# KiCad board FPGA-BOARDver3.kicad_pcb (continued)
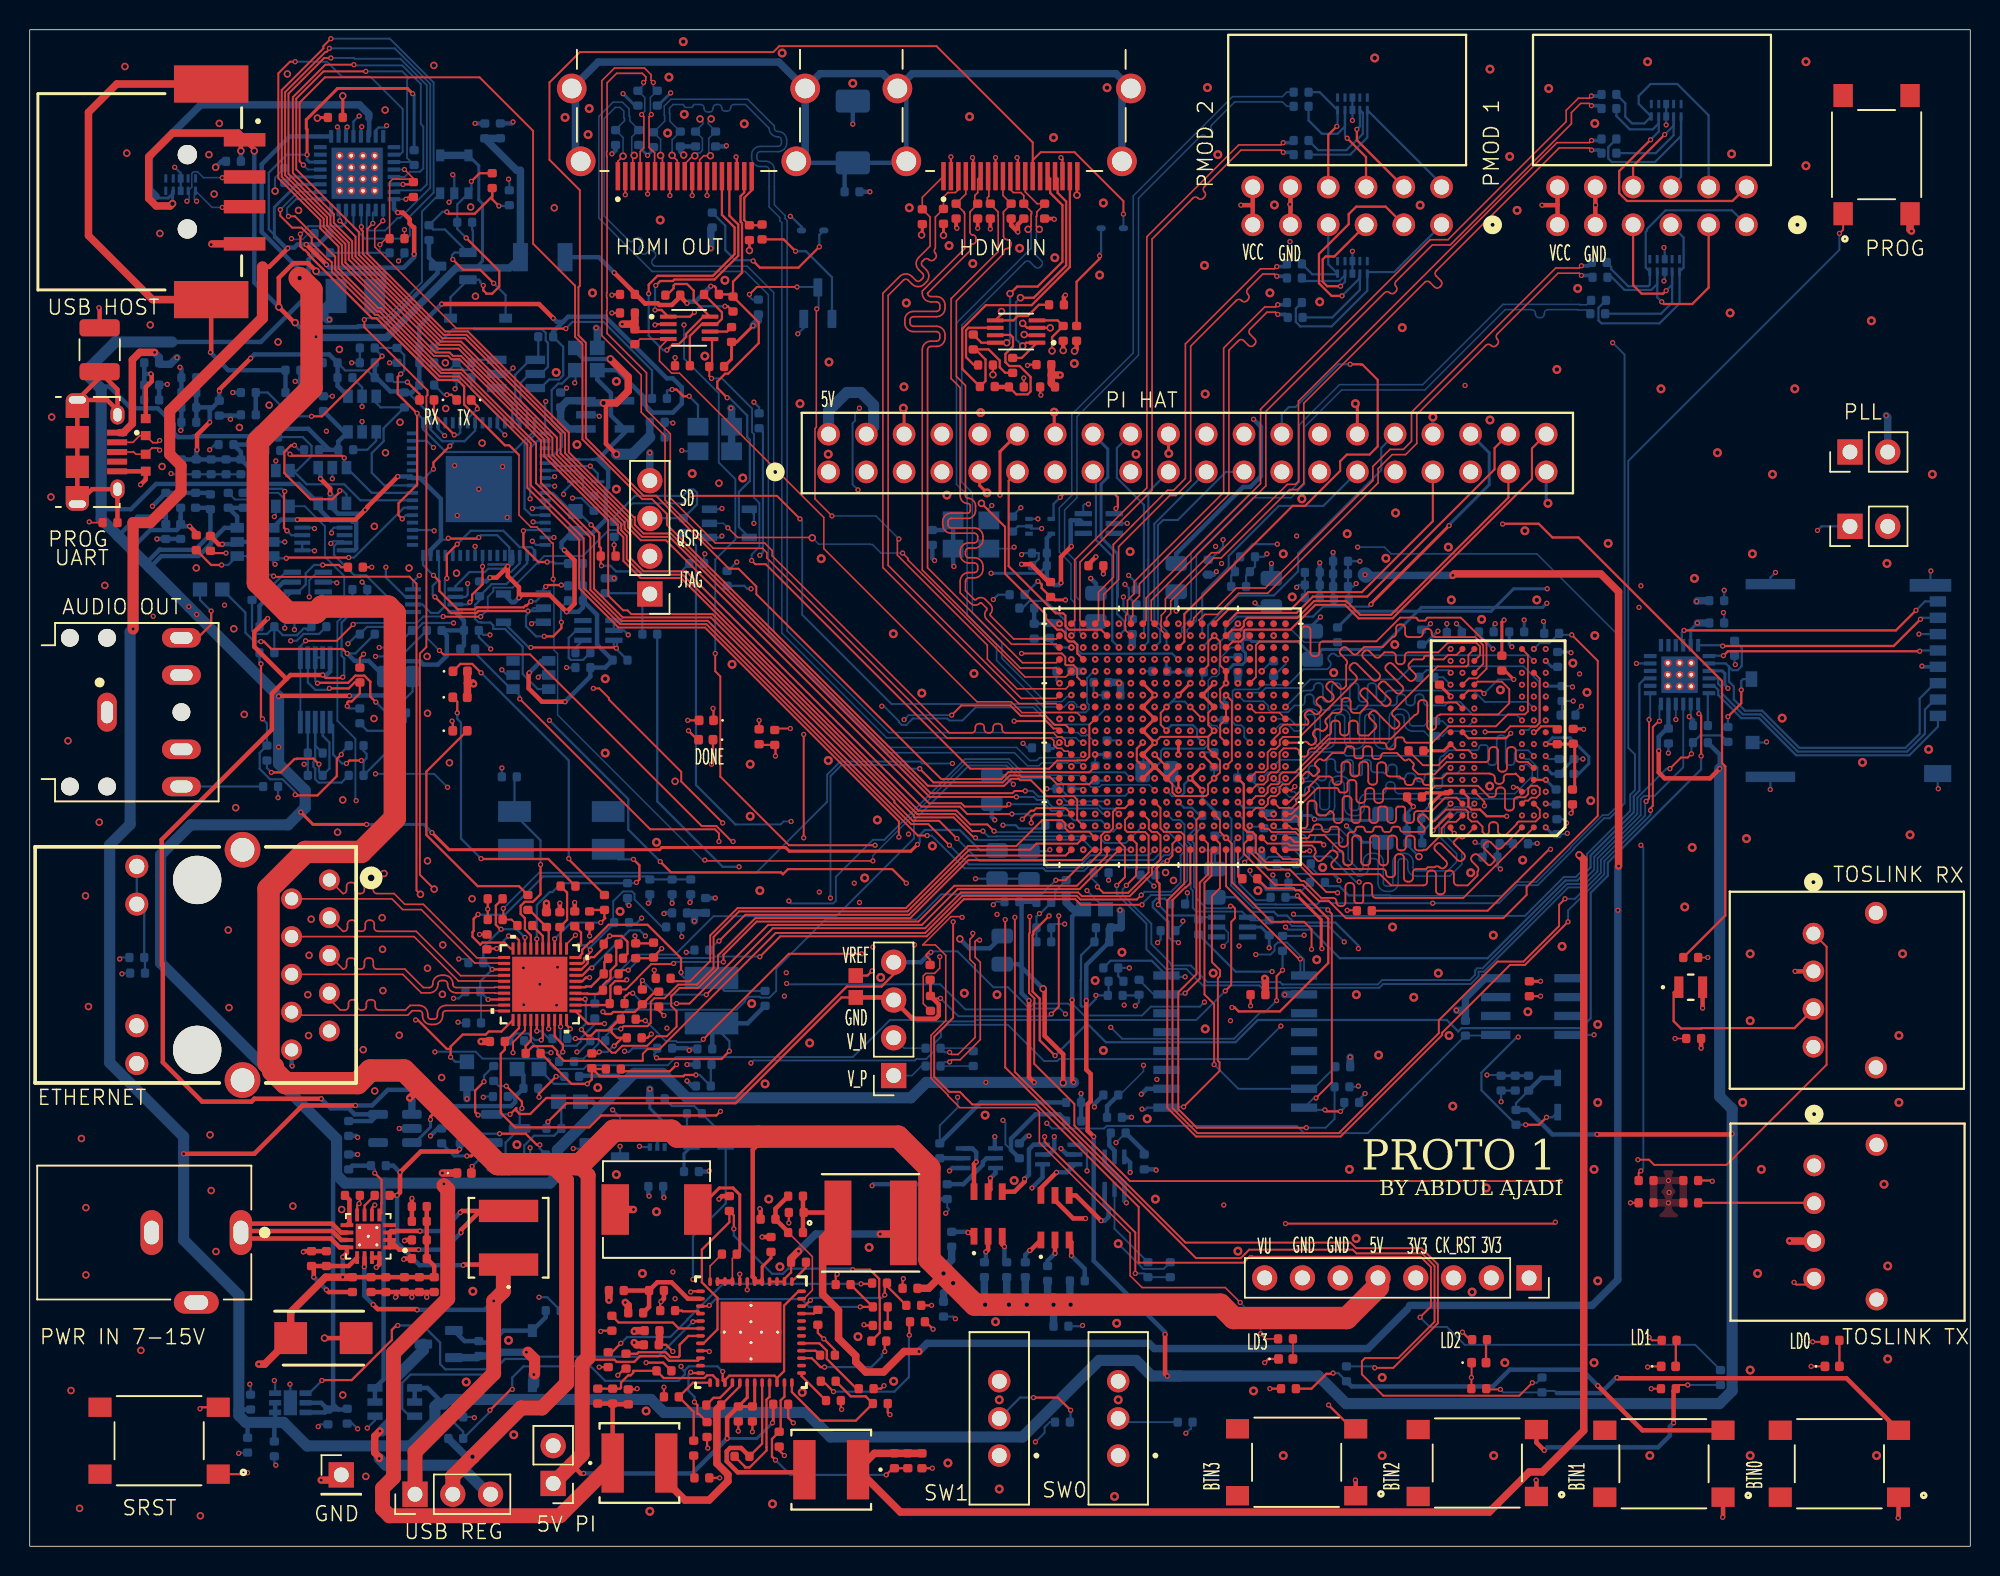
[diagram p0: board, top side]
## Routing (per net, layer and track width the routed paths; a pad name or vN(x,y) marks a point on that pad's centre or on a via; arc(x,y) is an arc through that point) (continued)
HDMI_TX_D0_P: length 74.9
  Top w0.104: v2(42.42,93.54) 42.55,93.42 J10.7
  Bottom w0.104: v2(42.42,93.54) 42.42,94.63 R147.1 42.7,95.85 42.7,96.22 42.67,96.25 42.67,96.87 43.13,97.33 48.27,97.33 50.08,95.52 50.08,95.38 arc(50.14,95.22) 50.3,95.15 50.33,95.15 arc(50.74,94.98) 50.9,94.58 50.9,94.38 arc(50.74,93.97) 50.33,93.8 49.12,93.8 arc(48.97,93.73) 48.9,93.58 48.9,93.38 arc(48.97,93.22) 49.12,93.15 49.5,93.15 arc(49.91,92.98) 50.08,92.58 50.08,92.38 50.08,91.45 50.08,90.22 50.8,89.5 50.8,89.3 50.93,89.17 50.93,61.57 57.77,54.73 68.89,54.73 68.94,54.77 69.52,54.77 69.56,54.73 70.51,54.73 70.51,54.72 70.71,54.51 71,54.51 71.09,54.6 v1(71.65,54.05)
HDMI_TX_D1_N: length 76.1
  Top w0.104: v1(41.93,98.45) 41.78,98.6 41.78,98.98 41.34,99.42 39.32,99.42 38.47,98.57 38.47,81.43 41.12,78.78 41.12,76.28 42.72,74.68 42.72,70.36 45.96,67.12 49.28,67.12 49.57,66.83 49.57,66.47 61.69,54.36 68.69,54.36 68.87,54.18 68.87,53.89 69.09,53.67 69.38,53.67 69.58,53.47 69.83,53.47 U1.J19 ; v1(41.8,96.3) 41.65,96.15 41.65,94.08 41.88,93.85 41.9,93.85 42.02,93.73 42.02,92.18 J10.6
  Bottom w0.104: v1(41.93,98.45) 41.93,98.17 R148.1 41.74,97.44 41.74,96.36 v1(41.8,96.3)
HDMI_TX_D1_P: length 76.1
  Top w0.104: J10.4 41.05,92.15 41.05,93.8 41.3,94.05 41.3,96.15 v1(41.15,96.3) ; v1(41.28,98.45) 41.43,98.6 41.43,98.83 41.19,99.07 39.47,99.07 38.83,98.43 38.83,93.83 38.8,93.8 38.8,93.5 38.83,93.47 38.83,84.33 38.8,84.3 38.8,84 38.83,83.97 38.83,83.13 38.8,83.1 38.8,82.8 38.83,82.77 38.83,81.57 41.48,78.92 41.48,76.42 43.08,74.82 43.08,70.51 46.11,67.48 49.42,67.48 49.93,66.97 49.93,66.62 61.83,54.71 63.35,54.71 arc(63.52,54.78) 63.59,54.95 63.59,55.09 arc(63.66,55.26) 63.83,55.33 63.95,55.33 arc(64.12,55.26) 64.19,55.09 64.19,54.95 arc(64.26,54.78) 64.43,54.71 64.55,54.71 arc(64.72,54.78) 64.79,54.95 64.79,55.09 arc(64.86,55.26) 65.03,55.33 65.15,55.33 arc(65.32,55.26) 65.39,55.09 65.39,54.95 arc(65.46,54.78) 65.63,54.71 68.84,54.71 69.12,54.43 69.41,54.43 69.63,54.21 69.63,53.92 69.72,53.83 69.83,53.83 U1.K19
  Bottom w0.104: v1(41.28,98.45) 41.28,98.28 R149.1 41.36,97.44 41.36,96.51 v1(41.15,96.3)
HDMI_TX_D2_N: length 76
  Top w0.104: v2(40.65,93.55) 40.55,93.45 J10.3
  Bottom w0.104: 40.95,95.28 40.35,95.88 40.35,96.16 40.31,96.21 40.31,96.68 39.86,97.13 39.23,97.13 38.27,96.17 38.27,89.33 41.86,85.74 48.11,85.74 49.67,84.18 49.67,61.37 57.67,53.37 66.22,53.37 67.1,52.49 67.86,52.49 68.06,52.68 69.79,52.68 69.9,52.8 70.2,52.8 70.31,52.68 70.62,52.68 70.84,52.46 ; v2(40.65,93.55) 40.49,93.71 40.49,94.79 R150.1
  Bottom w0.249: 40.95,95.28 R150.1
  vias: v1(70.85,52.47)
HDMI_TX_D2_P: length 76
  Top w0.104: v2(39.9,93.5) 39.55,93.15 J10.1
  Bottom w0.104: v2(39.9,93.5) 39.9,94.75 R151.1 ; 39.4,95.28 40,95.88 40,96.03 39.95,96.07 39.95,96.53 39.71,96.77 39.37,96.77 38.63,96.03 38.63,89.47 40.28,87.82 arc(40.45,87.75) 40.62,87.82 40.76,87.95 arc(40.92,88.02) 41.09,87.95 41.18,87.87 arc(41.25,87.7) 41.18,87.53 41.04,87.4 arc(40.97,87.23) 41.04,87.06 41.13,86.97 arc(41.3,86.9) 41.47,86.97 41.6,87.11 arc(41.77,87.18) 41.94,87.11 42.03,87.02 arc(42.1,86.85) 42.03,86.68 41.89,86.55 arc(41.82,86.38) 41.89,86.21 42,86.1 48.25,86.1 50.03,84.32 50.03,61.51 57.81,53.73 66.37,53.73 67.25,52.85 67.72,52.85 67.91,53.04 70.62,53.04 v1(70.83,53.25)
  Bottom w0.249: 39.4,95.28 R151.1
HDMI_TX_HPDN: length 44
  Top w0.1: v1(53.95,69.3) 52.81,70.44 52.81,75.18 52.9,75.27 52.9,83.2 v1(52.92,83.22) ; v1(58.45,67.75) 58.35,67.65 58.35,66.66 64.4,60.61 64.4,59.66 66.39,57.67 69.67,57.67 U1.R19
  Top w0.127: v1(51.6,84.7) 48.9,84.7 v1(48.4,84.2)
  Bottom w0.1: v1(58.45,67.75) 56.9,69.3 v1(53.95,69.3)
  Bottom w0.127: v1(51.6,84.7) 52.97,84.7 Q9.3 53.05,84.62 53.05,83.35 v1(52.92,83.22) ; R155.1 48.6,83.85 48.4,84.05 v1(48.4,84.2)
HDMI_TX_SCL: length 48.6
  Top w0.127: v1(45.85,78.55) 45.7,78.7 45.7,79.34 R127.1 ; U1.M17 71.26,55.26 71.26,53.1 71.01,52.86 70.46,52.86 70.44,52.84 69.09,52.84 68.55,52.3 63.25,52.3 49.5,66.05 48.8,66.05 v1(48.55,66.3)
  Top w0.15: R127.1 45.89,79.54 45.89,81.06 U8.5
  Bottom w0.127: v1(45.85,78.55) 46.55,78.55 48.58,76.52 48.58,74.93 48.7,74.81 48.7,70.54 49.07,70.17 49.07,67.22 48.55,66.7 v1(48.55,66.3)
HDMI_TX_SCL_LS: length 26
  Top w0.15: 42.75,84.05 43.3,84.6 43.3,84.8 43.4,84.9 44.2,84.9 44.65,84.45 44.65,83.8 U8.8 45.3,82.7 44.14,81.54 44.14,81.34 43.65,80.85 43.25,80.85 v1(42.85,80.45) ; v1(41.62,84.25) 41.62,84.86 42.22,85.45 45.95,85.45 47.4,86.9 47.4,88.7 46.55,89.55 J10.15
  Bottom w0.15: v1(41.62,84.25) 41.62,81.42 42.6,80.45 v1(42.85,80.45)
HDMI_TX_SDA: length 43.8
  Top w0.1: R128.1 41.05,81.2 U8.4 42.35,80.61 42.35,79.72 43.17,78.9 43.69,78.9 53.4,69.19 53.4,67.1 63.7,56.8 66,56.8 66.73,56.07 70.31,56.07 70.32,56.07 70.43,56.07 U1.M18
HDMI_TX_SDA_LS: length 19.5
  Top w0.15: v1(42.1,84.8) 42.4,85.1 43.25,85.1 43.35,85.2 46.05,85.2 47.65,86.8 47.65,88.89 47.05,89.49 J10.16 ; v1(44.7,83) 44.4,82.7 U8.1 42.49,83.15 v1(42.05,83.15) ; R126.1 46.95,83.4 v1(46.75,83.4)
  Bottom w0.15: v1(42.1,84.8) 42.05,84.75 v1(42.05,83.15) ; v1(46.75,83.4) 45.1,83.4 v1(44.7,83)
JA1_N: length 27.8
  Top w0.104: U1.Y14 74.05,62.46 74.18,62.58 74.18,63.48 74.63,63.93 74.63,64.73 80.64,70.74 80.64,80.44 81.3,81.09 arc(81.47,81.17) 81.63,81.09 81.96,80.77 arc(82.13,80.7) 82.3,80.77 82.39,80.85 arc(82.46,81.02) 82.39,81.19 82.06,81.52 arc(81.99,81.69) 82.06,81.86 83.2,83 83.78,83 v1(83.93,82.85)
  Bottom w0.249: v1(83.93,82.85) 84.4,82.85 R68.1
JA1_P: length 27.8
  Top w0.104: v1(83.93,83.5) 83.78,83.36 83.06,83.36 80.29,80.59 80.29,70.89 74.27,64.87 74.27,64.07 73.82,63.62 73.82,62.73 73.7,62.6 73.7,62.23 73.67,62.21 73.67,61.89 73.7,61.87 73.7,61.6 U1.W14
  Bottom w0.249: v1(83.93,83.5) 84.4,83.5 R67.1
JA2_N: length 30.6
  Top w0.104: v1(83.86,86.07) 83.72,85.92 82.77,85.92 77.72,80.87 77.72,71.82 76.93,71.03 76.52,71.03 74.15,68.66 74.15,68.65 72.88,67.38 72.87,67.38 72.87,65.17 71.87,64.17 71.87,62.27 U1.Y17
  Bottom w0.249: v1(83.86,86.07) 84.37,86.07 R70.1
JA2_P: length 30.6
  Top w0.104: v1(83.86,85.42) 83.72,85.57 82.92,85.57 81.91,84.56 arc(81.84,84.39) 81.91,84.22 81.93,84.19 arc(82,84.02) 81.93,83.85 81.85,83.77 arc(81.68,83.7) 81.51,83.77 81.49,83.79 arc(81.32,83.87) 81.15,83.79 78.07,80.72 78.07,71.67 77.07,70.67 76.67,70.67 73.23,67.23 73.23,65.03 72.23,64.03 72.23,62.27 U1.Y16
  Bottom w0.249: v1(83.86,85.42) 84.43,85.42 R69.1
JA3_N: length 40.7
  Top w0.104: v1(84.3,94.4) 84.15,94.26 81.3,94.26 75.12,88.07 75.12,71.19 70.27,66.34 70.27,62.27 U1.Y19
  Bottom w0.249: v1(84.3,94.4) 84.85,94.4 R76.1
JA3_P: length 40.7
  Top w0.104: U1.Y18 70.63,62.27 70.63,66.19 75.48,71.04 75.48,87.93 78.23,90.68 arc(78.4,90.75) 78.57,90.68 78.58,90.66 arc(78.75,90.59) 78.92,90.66 79,90.75 arc(79.07,90.92) 79,91.09 78.99,91.1 arc(78.92,91.27) 78.99,91.44 81.45,93.9 84.15,93.9 v1(84.3,93.75)
  Bottom w0.249: R75.1 84.85,93.75 v1(84.3,93.75)
JA4_N: length 45.8
  Bottom w0.104: v1(70.07,61.26) 70.27,61.46 70.27,63.46 70.02,63.7 70.02,66.08 69.24,66.86 69.24,69.84 70.07,70.67 70.07,76.12 74.21,80.26 74.21,90.82 80.89,97.5 84.24,97.5 84.53,97.8 R78.1
JA4_P: length 45.8
  Bottom w0.104: v1(70.85,61.24) 70.62,61.46 70.62,63.61 70.38,63.85 70.38,66.22 69.59,67.01 69.59,69.69 70.43,70.53 70.43,75.98 74.57,80.11 74.57,90.67 78.65,94.76 78.73,94.84 arc(78.9,94.91) 79.07,94.84 79.08,94.84 arc(79.25,94.77) 79.41,94.84 79.5,94.93 arc(79.57,95.1) 79.5,95.27 79.5,95.27 arc(79.43,95.44) 79.5,95.61 81.04,97.15 84.24,97.15 84.53,96.85 R77.1
JB1_N: length 38.9
  Top w0.104: U1.Y8 78.63,62.27 78.63,62.28 79.02,62.67 79.87,62.67 81.3,64.1 83.25,64.1 90.68,71.53 90.68,72.48 91.62,73.42 92.52,73.42 93.28,74.18 93.28,76.13 97.84,80.69 97.92,80.77 arc(98.09,80.84) 98.26,80.77 98.28,80.76 arc(98.45,80.69) 98.62,80.76 98.7,80.84 arc(98.77,81.01) 98.7,81.18 98.69,81.2 arc(98.62,81.37) 98.69,81.54 102.77,85.62 104.2,85.62 v1(104.35,85.47)
  Bottom w0.249: v1(104.35,85.47) 104.98,85.47 R72.1
JB1_P: length 38.9
  Top w0.104: v1(104.35,86.12) 104.2,85.98 102.63,85.98 92.92,76.27 92.92,74.32 92.38,73.78 91.48,73.78 90.32,72.62 90.32,71.67 83.1,64.45 81.15,64.45 79.73,63.03 78.87,63.03 78.27,62.43 78.27,62.27 U1.Y9
  Bottom w0.249: v1(104.35,86.12) 104.83,86.12 R71.1
JB2_N: length 42.1
  Bottom w0.104: R74.1 104.7,83.15 104.13,83.15 104.1,83.17 102.1,83.17 arc(101.93,83.1) 101.86,82.93 101.86,82.88 arc(101.79,82.71) 101.62,82.64 101.5,82.64 arc(101.33,82.71) 101.26,82.88 101.26,82.93 arc(101.19,83.1) 101.02,83.17 99.22,83.17 93.82,77.77 88.22,77.77 85.73,75.28 85.73,71.43 84.82,70.52 82.27,70.52 78.46,66.71 78.46,62.25 77.84,61.64 77.84,61.48 v1(78.06,61.26)
JB2_P: length 42.1
  Bottom w0.104: R73.1 104.7,83.5 104.26,83.5 104.24,83.53 99.08,83.53 93.68,78.13 88.08,78.13 85.37,75.42 85.37,71.57 84.68,70.88 82.12,70.88 78.1,66.86 78.1,62.4 77.48,61.78 77.48,61.48 v1(77.25,61.26)
JB3_N: length 49.8
  Top w0.104: U1.Y13 75.07,62.27 75.07,63.77 82.77,71.47 82.77,76.47 94.18,87.88 95.38,87.88 103.32,95.82 103.32,96.57 104.15,97.4 104.88,97.4 v1(105.02,97.54)
  Bottom w0.249: v1(105.02,97.54) 105.59,97.54 R80.1
JB3_P: length 49.8
  Top w0.104: v1(105.02,96.89) 104.88,97.04 104.29,97.04 103.68,96.43 103.68,95.68 95.52,87.52 94.32,87.52 91.88,85.08 arc(91.81,84.91) 91.88,84.74 arc(91.95,84.57) 91.88,84.4 91.79,84.32 arc(91.62,84.25) 91.45,84.32 arc(91.28,84.38) 91.12,84.32 83.13,76.33 83.13,71.33 75.43,63.63 75.43,62.27 U1.Y12
  Bottom w0.249: R79.1 105.51,96.89 v1(105.02,96.89)
JB4_N: length 48
  Top w0.104: v1(105.03,93.9) 104.88,94.05 102.85,94.05 94.66,85.86 94.58,85.78 arc(94.51,85.61) 94.58,85.44 94.9,85.11 arc(94.97,84.94) 94.9,84.77 94.82,84.69 arc(94.65,84.62) 94.48,84.69 94.15,85.01 arc(93.98,85.08) 93.81,85.01 85.68,76.88 85.68,71.49 85.26,71.07 84.72,71.07 80.12,66.47 79.62,66.47 76.73,63.58 76.73,62.74 76.45,62.47 U1.Y11
  Bottom w0.249: v1(105.03,93.9) 105.5,93.9 R82.1
JB4_P: length 48.1
  Top w0.104: U1.W11 76.1,61.6 76.1,61.87 76.07,61.89 76.07,62.21 76.1,62.23 76.1,62.61 76.37,62.89 76.37,63.72 79.48,66.83 79.98,66.83 84.57,71.42 85.11,71.42 85.32,71.64 85.32,77.02 102.71,94.41 104.88,94.41 v1(105.03,94.55)
  Bottom w0.249: R81.1 105.6,94.55 v1(105.03,94.55)
LED0: length 119.1
  Top w0.127: v1(119.9,13.75) 120.6,13.75 R14.1
  SIGNAL2.Cu w0.127: v1(119.9,13.75) 119.75,13.6 90.88,13.6 86.9,17.58 86.9,20 83.09,23.81 68.54,23.81 66.14,26.21 58.59,26.21 51.76,33.04 51.76,34.14 52.15,34.53 52.15,46.95 62.82,57.62 68.67,57.62 68.7,57.65 73.65,57.65 v1(74.05,58.04)
LED1: length 107.4
  Top w0.127: R13.1 109.1,13.85 v1(108.9,14.05)
  SIGNAL2.Cu w0.127: v1(74.07,57.23) 73.73,56.89 62.47,56.89 52.4,46.81 52.4,34.46 51.99,34.04 51.99,33.41 58.9,26.5 66.55,26.5 69,24.05 83.6,24.05 89.14,18.51 89.14,15.66 90.97,13.83 96.29,13.83 96.61,14.15 108.8,14.15 v1(108.9,14.05)
LED2: length 104.3
  Top w0.15: R2.1 96.85,13.9 v1(96.35,14.4)
  SIGNAL.Cu w0.127: v1(57.3,56.5) 50.7,56.5 47.2,53 47.2,51.95 53.1,46.05 v1(53.1,44)
  SIGNAL2.Cu w0.127: v1(96.35,14.4) 96,14.05 91.07,14.05 89.37,15.75 89.37,18.6 83.32,24.65 68.9,24.65 66.7,26.85 60.56,26.85 53.1,34.31 v1(53.1,44)
  Bottom w0.127: v1(72.46,56.44) 71.29,55.27 68.63,55.27 67.48,56.42 63.61,56.42 62.72,55.54 61.85,55.54 61.71,55.67 59.39,55.67 58.95,55.24 58.65,55.24 58.44,55.45 58.44,55.51 57.45,56.5 v1(57.3,56.5)
LED3: length 75.4
  Top w0.1: v1(62.7,42.3) 62.65,42.35 61.96,42.35 60.05,40.44 60.9,40.44 61.6,39.74 61.6,35.35 60.61,34.36 60.61,31.49 61.75,30.35 61.75,30.3 62.55,29.5 67.59,29.5 67.9,29.19 67.9,27.15 74,21.05 74,18.21 74.81,17.4 80.4,17.4 v1(81.4,16.4) ; v1(82.77,14.3) 83.13,13.95 R1.1
  SIGNAL.Cu w0.1: v1(74.05,55.64) 73.69,56 73.1,56 72.81,55.71 72.81,52.31 72.49,52 72.36,52 72.24,51.87 63.07,51.87 v1(59.1,47.9)
  SIGNAL2.Cu w0.1: v1(62.7,42.3) 59.1,45.9 v1(59.1,47.9)
  Bottom w0.1: v1(82.77,14.3) 82.77,15.03 v1(81.4,16.4)
LED4_B: length 54.1
  SIGNAL2.Cu w0.127: v1(65.45,28.65) 64.64,29.46 64.04,29.46 59.11,34.39 59.11,34.62 58.01,35.73 57.68,35.73 54.75,38.66 54.75,45.94 57.46,48.66 57.46,48.67 62.44,53.65 64.95,53.65 65.52,53.08 68.76,53.08 70.08,54.4 70.1,54.4 70.11,54.41 72.86,54.41 73.24,54.79 v1(73.24,54.84)
  Bottom w0.127: R33.2 65.61,27.04 65.61,28.49 v1(65.45,28.65)
  Bottom w0.3: R33.2 65.99,26.66 65.99,27.41 67.63,29.05 69.25,29.05 R57.2
LED4_G: length 62
  Top w0.127: U1.G17 71.26,51.26 69.09,51.26 68.6,51.75 66.69,51.75 66.6,51.84 65.91,51.84 65.44,51.38 60.77,51.38 v1(59.85,52.3)
  SIGNAL2.Cu w0.127: v1(53.85,43.6) 53.85,33.88 60.58,27.15 v1(73.05,27.15)
  Bottom w0.127: v1(59.85,52.3) 59.15,52.3 58.9,52.55 54.6,52.55 53.85,51.8 v1(53.85,43.6) ; v1(73.05,27.15) R35.2
  Bottom w0.3: R35.2 74.95,26.55 R55.2
LED4_R: length 66.3
  Top w0.127: v1(74.35,18.35) 74.35,21.1 68.25,27.2 v1(68.25,27.55)
  SIGNAL2.Cu w0.127: v1(73.25,56.45) 72.88,56.08 62.88,56.08 54.25,47.45 54.25,35.3 56.88,32.67 59.23,32.67 63.7,28.2 67.5,28.2 68.15,27.55 v1(68.25,27.55)
  Bottom w0.127: v1(74.35,18.35) 74.95,18.35 R34.2 R56.2
LED5_B: length 57.1
  SIGNAL2.Cu w0.127: v1(61.6,22.4) 60.24,22.4 59.65,22.99 59.65,24.75 51.53,32.87 51.53,34.23 51.85,34.55 51.85,42.6 v1(51.05,43.4)
  Bottom w0.127: R61.2 61.7,22.8 61.8,22.7 61.8,22.6 v1(61.6,22.4) ; v1(51.05,43.4) 51.21,43.24 54.04,43.24 54.21,43.41 54.21,45.03 56.7,47.51 57.47,47.51 62.89,52.94 65.86,52.94 66.73,52.08 69.27,52.08 69.29,52.06 73.14,52.06 73.15,52.05 73.65,52.05 U1.G14
  Bottom w0.3: R61.2 R66.2
  vias: v1(74.02,51.67)
LED5_G: length 28.7
  SIGNAL2.Cu w0.1: v1(74.9,32.35) 74.9,33.05 75.5,33.65 75.5,43.95 74.4,45.05 74.4,46.71 74.41,46.71 74.41,47 74.4,47.01 74.4,50.19 74.71,50.5 74.99,50.5 75.2,50.71 75.2,52.36 74.51,53.05 74.51,54.4 v1(74.08,54.82)
  Bottom w0.1: v1(74.9,32.35) 74.9,31.95 73.3,30.35 R63.2
  Bottom w0.3: R64.2 72.45,29.6 R63.2
LED5_R: length 57.3
  SIGNAL2.Cu w0.127: v1(73.24,55.65) 73.15,55.65 72.78,55.28 70.58,55.28 69.9,54.6 62.7,54.6 57.41,49.31 56.66,49.31 54.52,47.17 54.52,35.38 57,32.9 59.55,32.9 62.25,30.2 v1(62.4,30.2)
  Bottom w0.127: R62.2 61.2,28.3 62.4,29.5 v1(62.4,30.2)
  Bottom w0.3: R65.2 63.95,29.85 R62.2
PG_ALL: length 61.8
  Top w0.15: v1(24.75,14.85) 24.65,14.85 24.35,14.55 24.35,13.88 21.65,11.17 19.67,11.17 v1(19.65,11.15) ; U22.17 44.65,15.15 v1(44.6,15.1)
  SIGNAL.Cu w0.15: v1(44.6,17.95) 44.83,17.72 44.83,15.32 v1(44.6,15.1)
  Bottom w0.15: U20.1 18.25,10.3 18.8,10.3 v1(19.65,11.15) ; 31.9,12.55 31.26,11.9 27.95,11.9 27.6,12.25 27.6,13.7 26.45,14.85 v1(24.75,14.85) ; 31.9,12.55 31.96,12.6 33.83,12.6 33.98,12.75 42.25,12.75 v1(44.6,15.1) ; 31.9,12.55 30.91,11.55 25.6,11.55 25.05,11 25.05,9.25 25.55,8.75 U9.3 ; v1(44.6,17.95) 44.6,20.85 46.8,23.05 CR2.1 46.8,27.5 R187.2 44.69,29.61 43.19,29.61 R92.2
PG_ALL_DLY: length 7
  Bottom w0.15: R187.1 44.2,27.2 CR2.2 44.12,27.28 42.33,27.28 42.2,27.15 U19.2
  Bottom w0.2: CR2.2 44,26.4 C81.1
PG_ALL_EDGE: length 51.7
  SIGNAL.Cu w0.127: v1(23.25,51.95) 23.1,51.95 22.9,52.15 22.9,52.9 18.19,57.61 18.19,61.26 v1(17.8,61.65)
  SIGNAL2.Cu w0.127: v1(28.1,51.05) 28.45,50.7 28.45,38.04 37.14,29.35 v1(39.2,29.35)
  Bottom w0.127: v1(23.25,51.95) 27.2,51.95 v1(28.1,51.05)
  Bottom w0.15: U19.4 39.95,28.35 Q8.1 39.7,28.85 v1(39.2,29.35) ; U21.3 19.74,64.09 17.8,62.15 v1(17.8,61.65)
PI5V: length 88.8
  SIGNAL.Cu w1: v2(43.4,51.45) 43.4,67.78 46.35,70.73 v2(46.35,71.5)
  SIGNAL2.Cu w1: J17.2 35.4,6.97 35.4,24.42 40.18,29.2 40.25,29.2 40.25,30.43 41,31.18 41,34.62 40.6,35.02 40.6,35.9 42,37.3 43.63,37.3 45.55,39.22 45.55,42.33 45.2,42.68 45.2,45.22 43.4,47.02 v2(43.4,51.45) ; J14.2 49.63,74.8 46.35,71.52 v2(46.35,71.5)
  Bottom w0.75: J14.2 53.72,76.37 54.95,77.6 55.9,77.6 56.75,76.75 56.75,75.29 J14.4
PS_CLK: length 11.1
  SIGNAL.Cu w0.1: v1(79.66,50.05) 80.18,50.05 80.9,49.33 80.9,49.01 81.11,48.8 81.39,48.8 81.7,48.49 81.7,48.3 82.06,47.94 v1(82.06,45.45)
  Bottom w0.1: v1(82.06,45.45) 82.06,45.19 82.7,44.55 82.78,44.55 83.04,44.29 83.04,44.21 83.14,44.11 85.56,44.11 R50.1
PS_POR_B: length 179.4
  Top w0.127: v1(121.7,88.3) 121.95,88.55 S1.1 ; v1(37.9,57.7) 38.3,57.7 38.95,57.05 38.95,56.95 43.81,52.09 43.81,51.44 v1(46.6,48.65)
  Top w0.15: v1(19.7,66) 20.8,66 20.95,65.85 R93.2
  SIGNAL.Cu w0.104: v1(81.33,40.38) 81.83,40.38 83.96,42.51 v1(84.99,42.51)
  SIGNAL.Cu w0.127: v1(50.75,37) 52.02,35.73 59.33,35.73 59.94,36.34 72.68,36.34 73.66,35.35 v1(80.75,35.35)
  SIGNAL2.Cu w0.104: v1(79.65,48.44) 79.65,45.05 79.7,45 79.7,43.6 80.8,42.5 80.8,40.9 v1(81.33,40.38)
  SIGNAL2.Cu w0.127: v1(37.9,57.7) 35.46,57.7 33.7,59.46 26.97,59.46 26.89,59.39 21.91,59.39 21.61,59.69 18.25,59.69 17.15,60.79 v1(17.15,61.75) ; v1(81.33,40.38) 81.33,35.72 80.95,35.35 v1(80.75,35.35) ; v1(46.6,48.65) 46.6,48.1 46.8,47.9 46.8,46.85 47.07,46.58 47.07,43.78 47.5,43.35 47.5,40.25 v1(50.75,37)
  Bottom w0.127: v1(17.15,61.75) 17.15,63.68 U21.4 ; v1(84.99,42.51) 85.1,42.4 100.55,42.4 103.17,45.02 103.98,45.02 104.73,45.77 104.73,46.56 107.63,49.46 107.63,50.54 107.95,50.86 107.95,53.26 107.5,53.71 107.5,72.99 121.7,87.19 v1(121.7,88.3)
  Bottom w0.15: U21.4 18.06,64.19 18.56,64.69 18.56,65.44 19.12,66 v1(19.7,66)
PS_RST: length 11.2
  Top w0.127: v1(76.5,46.1) 76.84,46.44 76.84,47.24 U1.B10
  Top w0.15: v1(76.5,46.1) 76.28,45.88 76.07,45.88 75.8,45.61 75.8,44.73 75.98,44.56 75.98,43.22 v1(75.9,43.15)
  Bottom w0.127: v1(76.5,46.1) 76.22,46.1 75.7,45.58 R43.2
  Bottom w0.15: U23.3 78.76,42.31 R44.2 78.33,42.42 76.63,42.42 v1(75.9,43.15)
REG5V0: length 49.6
  Top w0.3: v1(28.9,26.7) 28.75,26.55 26.3,26.55 v1(24.9,25.15) 24.9,23.8 v1(24.7,23.6) R91.1 ; v1(26.05,15.9) 26,15.95 23.4,15.95 v1(23.1,16.25) ; v1(29.15,18.9) 29.2,18.95 L3.1 ; U14.14 22.52,18.81 v1(22.5,18.8)
  Top w1: L3.1 31.85,18.6 31.85,17.15 v1(31.2,16.5) 31.2,11.62 25.91,6.33 J3.1
  Bottom w0.3: v1(31.2,16.5) 30.6,15.9 v1(26.05,15.9) ; v1(28.9,26.7) 28.95,26.75 C31.1 ; v1(24.9,25.15) 24.45,25.6 R88.1 ; v1(24.7,23.6) 24.7,20.41 26.21,18.9 v1(29.15,18.9) ; v1(22.5,18.8) 22.5,16.85 v1(23.1,16.25)
RST_N: length 7.1
  Top w0.15: v1(57.5,13.1) 57.5,13.7 R99.1 ; U22.39 52.59,12.65 53.19,12.05 v1(53.45,12.05)
  Bottom w0.15: v1(53.45,12.05) 56.6,12.05 57.3,12.75 57.3,12.9 v1(57.5,13.1)
RTS: length 9
  Top w0.15: v1(20.85,71) 20.85,70.92 20.36,70.42 18.88,70.42 17.12,72.17 17.12,73.61 17.57,74.05 v1(17.8,74.05)
  Bottom w0.15: v1(17.8,74.05) 18.1,73.75 R226.1 ; U43.4 21.3,70.75 21.05,71 v1(20.85,71)
SD_CCLK: length 62.1
  SIGNAL.Cu w0.127: v1(84.45,41.65) 84.09,41.65 82.81,40.38 82.81,39.65 80.91,37.75 74.95,37.75 v1(73.6,36.4)
  SIGNAL2.Cu w0.127: v1(72.55,44.8) 72.25,44.5 72.25,36.9 72.8,36.35 73.55,36.35 v1(73.6,36.4)
  Bottom w0.15: U13.9 108.62,58.37 108.25,58 108.25,50.82 107.87,50.44 107.87,49.36 104.97,46.46 104.97,45.67 104.08,44.78 103.27,44.78 98.04,39.55 88.1,39.55 86.17,41.47 84.63,41.47 v1(84.45,41.65) ; v1(72.55,44.8) R8.2
SD_CD: length 57.4
  Top w0.127: v1(110.3,52.3) 111.05,53.05 111.5,53.05 v1(111.75,53.3) ; U1.B14 74.44,47.26 74.44,45.54 74.4,45.5 74.4,45.1 v1(73.75,44.45)
  Bottom w0.127: 84.25,37.78 84.25,37.78 ; 84.25,37.78 84.08,37.95 83.31,37.95 83.2,37.84 82.9,37.84 82.79,37.95 79.19,37.95 78.08,39.06 76.75,39.06 76.75,39.19 75.43,40.51 75.43,41.87 73.5,43.8 73.5,44.2 v1(73.75,44.45) ; 84.25,37.78 84.26,37.79 90.66,37.79 90.96,38.08 96.85,38.08 97.21,38.44 97.21,38.74 97.34,38.87 97.7,38.87 103.37,44.54 104.24,44.54 105.21,45.51 105.21,46.36 108.11,49.26 108.11,50.34 110.06,52.3 v1(110.3,52.3) ; v1(111.75,53.3) 111.75,53.95 R185.1
  Bottom w0.15: R184.1 113.77,54.53 112.33,54.53 R185.1
SD_CMD: length 94.6
  Top w0.127: v1(102.95,24.55) 102.94,24.56 73.99,24.56 70.25,28.3 70.25,29.75 67.55,32.45 67.55,36.54 67.56,36.55 67.56,36.85 67.2,37.21 67.2,41.2 67.25,41.25 v1(67.25,42.35)
  SIGNAL.Cu w0.127: v1(67.25,42.35) 67.25,44.05 v1(71.65,48.45) ; v1(102.95,24.55) 106,24.55 109.99,28.54 109.99,51.24 110.71,51.96 110.71,55.59 v1(110.7,55.6)
  Bottom w0.127: v1(110.7,55.6) U13.4
SD_D0: length 73.6
  Top w0.127: v1(109.6,55.5) 109.55,55.5 109.15,55.1 109.15,49.8 109,49.65 v1(109,49.5) ; v1(103.45,42) 100.55,39.1 99.54,39.1 94.99,34.54 94.99,34.39 88.16,27.56 78.43,27.56 76.5,29.49 76.5,43.44 77.61,44.54 77.64,44.54 77.64,47.81 77.41,48.04 76.29,48.04 76.04,48.29 76.04,49.66 U1.E12
  Bottom w0.127: U13.6 109.6,56.55 v1(109.6,55.5) ; v1(103.45,42) 103.45,42.76 105.89,45.2 105.89,46.08 109,49.19 v1(109,49.5)
SD_D1: length 69.5
  Top w0.127: v1(103.25,43.55) 102.85,43.15 102.85,41.72 100.46,39.33 98.71,39.33 94.76,35.37 94.76,34.51 88.04,27.79 78.53,27.79 76.85,29.46 76.85,43.46 77.7,44.31 77.76,44.31 78.05,44.6 U1.A9 ; v1(108.9,55.6) 108.9,50.3 v1(108.7,50.1)
  Bottom w0.127: U13.7 108.98,55.82 108.9,55.75 v1(108.9,55.6) ; v1(108.7,50.1) 108.64,50.04 108.64,49.15 105.66,46.17 105.66,45.29 103.92,43.55 v1(103.25,43.55)
SD_D2: length 85.4
  Top w0.15: v1(68.95,33) 67.92,34.02 67.92,36.83 67.44,37.31 67.44,41.1 67.49,41.15 67.49,41.34 v1(68.55,42.4) ; v1(112.4,53.15) 112.4,55.85 v1(112.25,56)
  SIGNAL.Cu w0.15: v1(74.85,50.85) 75.45,50.25 75.45,49.9 74.37,48.82 73.89,48.82 73.67,48.61 73.67,48.34 68.55,43.22 v1(68.55,42.4)
  Bottom w0.15: v1(112.4,53.15) 112.4,52.25 106.13,45.98 106.13,45.1 104.98,43.95 104.98,35.51 104.32,34.85 96.29,34.85 96.07,34.62 95.29,35.4 82.58,35.4 81.09,33.9 72.37,33.9 71.11,35.16 v1(68.95,33) ; U13.1 112.25,56.6 v1(112.25,56)
SD_D3: length 57.6
  Top w0.127: U1.B15 73.25,47.4 73.65,47 73.65,45 v1(73.1,44.45)
  Bottom w0.127: v1(73.1,44.45) 73.1,43.88 75.1,41.88 75.1,40.15 76.42,38.83 77.78,38.83 78.89,37.72 82.69,37.72 82.86,37.55 84.34,37.55 84.36,37.56 90.76,37.56 91.01,37.81 96.9,37.81 97.43,38.35 97.43,38.65 97.8,38.65 103.46,44.31 104.36,44.31 105.43,45.39 105.43,46.27 108.34,49.17 108.34,50.25 108.55,50.46 109.26,50.46 111.2,52.4 U13.3
SHIELD: length 7.4
  Bottom w0.15: J12.11 J12.12 7.7,42.69 C66.1 7.75,39.55 R181.2
SPDIF_RX: length 85.3
  Top w0.127: U6.1 120.84,40.32 120.84,32.39 114.1,25.65 109.25,25.65 108.9,26 v1(108.15,26)
  SIGNAL2.Cu w0.127: v1(74.03,54.04) 73.61,53.63 73.61,50.72 73.39,50.5 73.09,50.5 72.81,50.22 72.81,49.1 72.82,49.1 72.82,45.9 74.39,44.33 74.39,42.96 74.71,42.64 74.71,36.2 74.25,35.74 74.25,31.55 79.95,25.85 108,25.85 v1(108.15,26)
SPDIF_TX: length 74.5
  Top w0.127: U5.4 119.61,17.6 118.8,17.6 v1(118.65,17.75)
  SIGNAL2.Cu w0.127: v1(118.65,17.75) 118.6,17.75 109.95,26.4 79.72,26.4 74.48,31.64 74.48,35.64 75.16,36.33 75.16,43.9 73.61,45.45 73.61,49.91 74.4,50.69 74.4,52.86 v1(74.02,53.24)
SPI_CS: length 24.2
  Top w0.127: 79.47,46.67 79.47,45.1 79,44.63 79,37.11 79.65,36.46 v1(79.65,32.4)
  Bottom w0.127: v1(79.65,32.4) 81.28,30.77 U7.7 86.32,30.77 R116.2
SPI_DQ0/MODE3: length 14.8
  Top w0.127: v1(77.7,37.2) 78.68,38.18 78.68,44.63 79.24,45.19 79.24,47.26 U1.B8
  Bottom w0.127: R40.2 75.58,37.12 U7.15 77.62,37.12 v1(77.7,37.2)
SPI_DQ1/MODE1: length 29.7
  Top w0.127: v1(87.3,42.8) 87.56,42.54 87.56,31.21 v1(86.5,30.15)
  Top w0.15: v1(88.15,29.25) 87.2,29.25 v1(87.1,29.35)
  Bottom w0.127: v1(80.46,49.28) 80.81,48.92 80.81,47.54 80.79,47.51 80.79,44.44 82.29,42.94 87.16,42.94 v1(87.3,42.8) ; U7.8 86.35,30.15 v1(86.5,30.15)
  Bottom w0.15: v1(88.15,29.25) 88.4,29.5 R38.2 ; v1(87.1,29.35) 85.85,29.35 U7.8
SPI_DQ2/MODE2: length 83
  Top w0.127: v1(77.6,29.55) 80.01,31.96 80.01,32.55 79.9,32.66 79.9,38.21 80.05,38.36 80.05,38.74 79.5,39.29 79.5,43.72 80.04,44.26 80.04,47.26 U1.B7
  SIGNAL.Cu w0.127: v1(55.45,44.6) 55.45,44.76 51.46,48.75 v1(51.2,48.75)
  SIGNAL2.Cu w0.127: v1(74.8,29.4) 73.99,29.4 65.12,38.27 60.53,38.27 59.15,39.65 59.15,39.66 58.41,40.4 57.72,40.4 56.94,39.62 56.45,39.62 56.31,39.49 55.79,39.49 55.28,40 55.28,44.43 v1(55.45,44.6)
  Bottom w0.127: 47.5,48.55 50.5,48.55 50.7,48.75 v1(51.2,48.75) ; U7.9 76.49,29.55 v1(77.6,29.55)
  Bottom w0.15: R49.1 44.81,67.29 44.81,51.19 47.45,48.55 47.5,48.55 ; v1(74.8,29.4) 74.85,29.35 75,29.35 75.15,29.5 U7.9
SPI_DQ3/MODE0: length 75.8
  Top w0.127: U1.A6 80.45,44.4 85.35,39.5 v1(85.45,39.5)
  SIGNAL.Cu w0.127: v1(50.88,38.57) 51.65,37.8 58.48,37.8 58.52,37.75 67.82,37.75 68.58,38.51 77.4,38.51 77.94,39.05 81.7,39.05 v1(82.45,39.8)
  SIGNAL2.Cu w0.127: v1(47.7,45.7) 48,45.4 48,41.45 v1(50.88,38.57)
  Bottom w0.127: v1(85.45,39.5) 85.45,38.64 U7.1 85.7,39.46 84.55,40.61 83.92,40.61 83.71,40.4 83.71,40.06 83.45,39.8 v1(82.45,39.8)
  Bottom w0.15: v1(47.7,45.7) 46.6,45.7 42.2,50.1 R48.1
SPI_SCK/MODE4: length 27.5
  Top w0.15: R4.2 83.2,44.25 85,44.25 85.13,44.12 85.41,44.12 87.33,42.21 87.33,39.22 84.08,35.97 81.3,35.97 81.04,36.24 v1(80.85,36.24)
  SIGNAL2.Cu w0.127: v1(77.7,38.3) 78.15,37.85 78.15,36.94 78.85,36.24 v1(80.85,36.24)
  Bottom w0.15: R42.2 72.69,39.38 75.45,39.38 U7.16 76.53,38.3 v1(77.7,38.3)
SPI_SCLK_FB/VCFG1: length 7.6
  Bottom w0.127: v1(81.25,49.25) 81.62,48.88 81.62,46.44 81.34,46.16 81.34,44.56 82.45,43.45 83.25,43.45 R36.2
SW0: length 199.7
  SIGNAL.Cu w0.126: 49.92,98.71 48.93,99.7
  SIGNAL.Cu w0.127: v1(69.25,55.64) 69.25,56.99 61.56,64.68 61.56,66.57 57.44,70.69 55.55,70.69 55.33,70.9 55.33,86.22 49.92,91.63 49.92,98.71 ; 48.93,99.7 39.74,99.7 36.93,96.89 36.93,96.13 26.55,85.75 26.55,84.2 26.56,84.19 26.56,65.15 25.4,63.99 25.4,32.3 50.1,7.6 v1(77.75,7.6)